# Altium PCB TAUV-Regulated_Power_board.PcbDoc (part 1 of 2)
Units mil, origin at the board's own origin, x right, y up, seen from the top; angles counter-clockwise.
Board outline 5292.66 x 3417.5 mil, 6 copper layers (1-Top, 2-GND1, 3-Signal1, 4-Hi_PWR, 5-GND2, 6-Bottom), stack 32.112 mil thick; 197 components, 89 nets, 741 pads, 274 vias.
Unrouted connection lines stored in the file: 4.
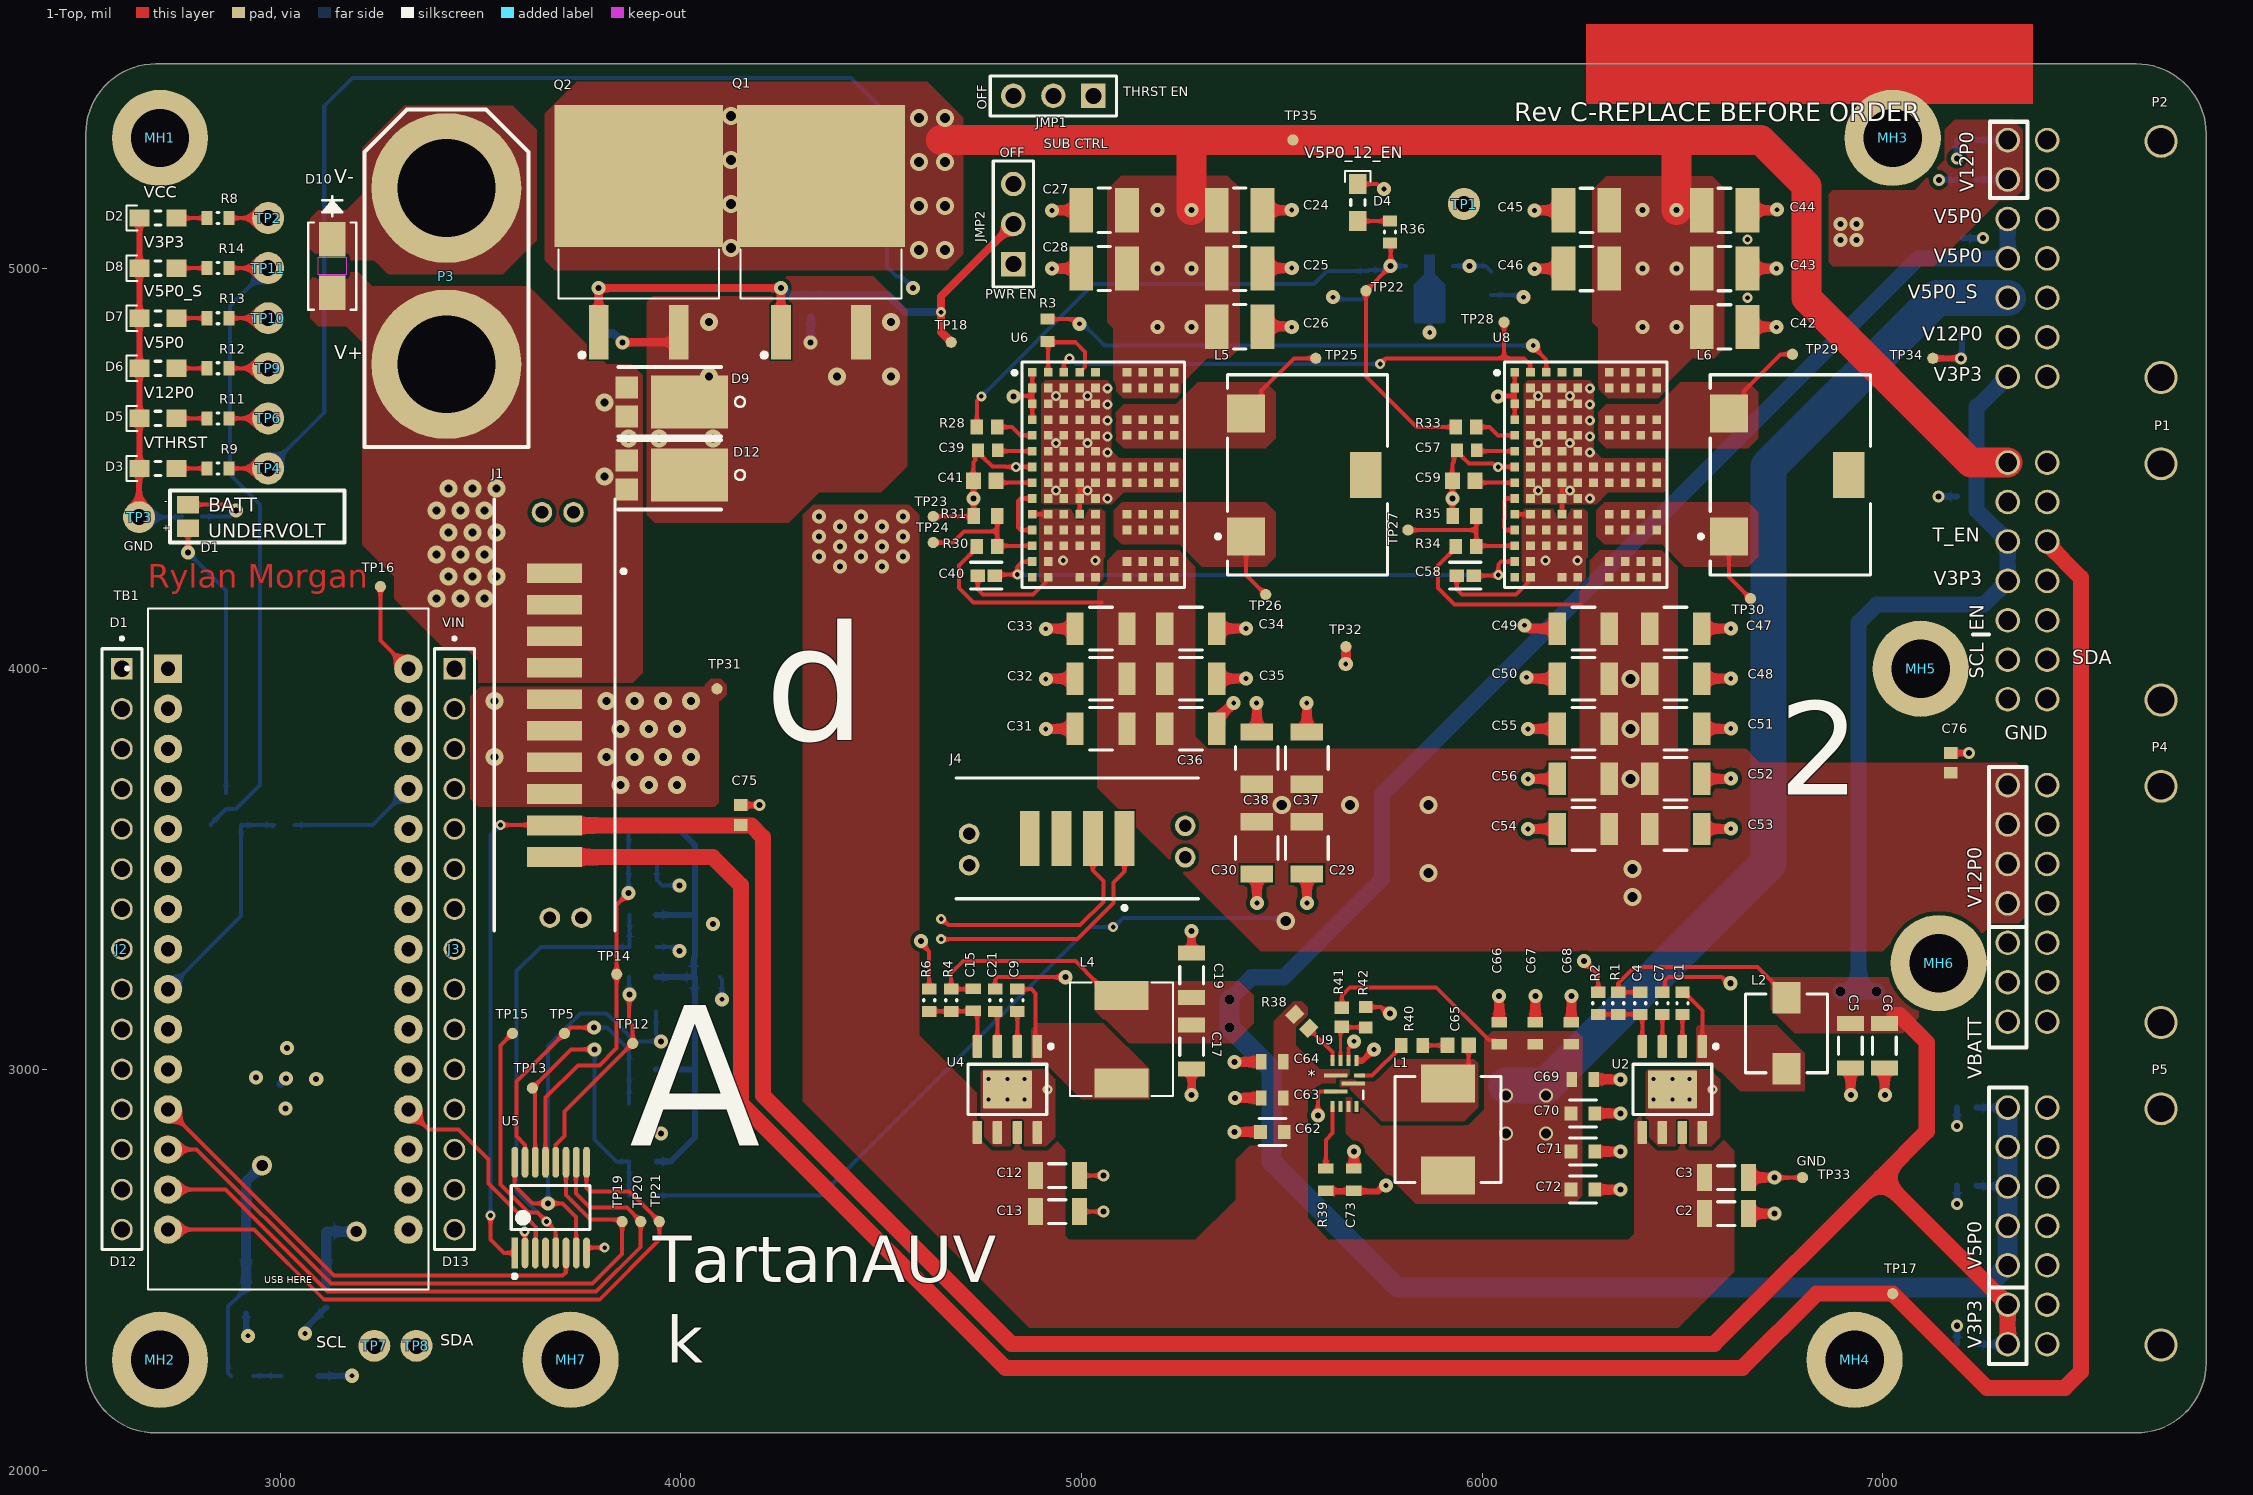
[diagram p0: 1-Top view]
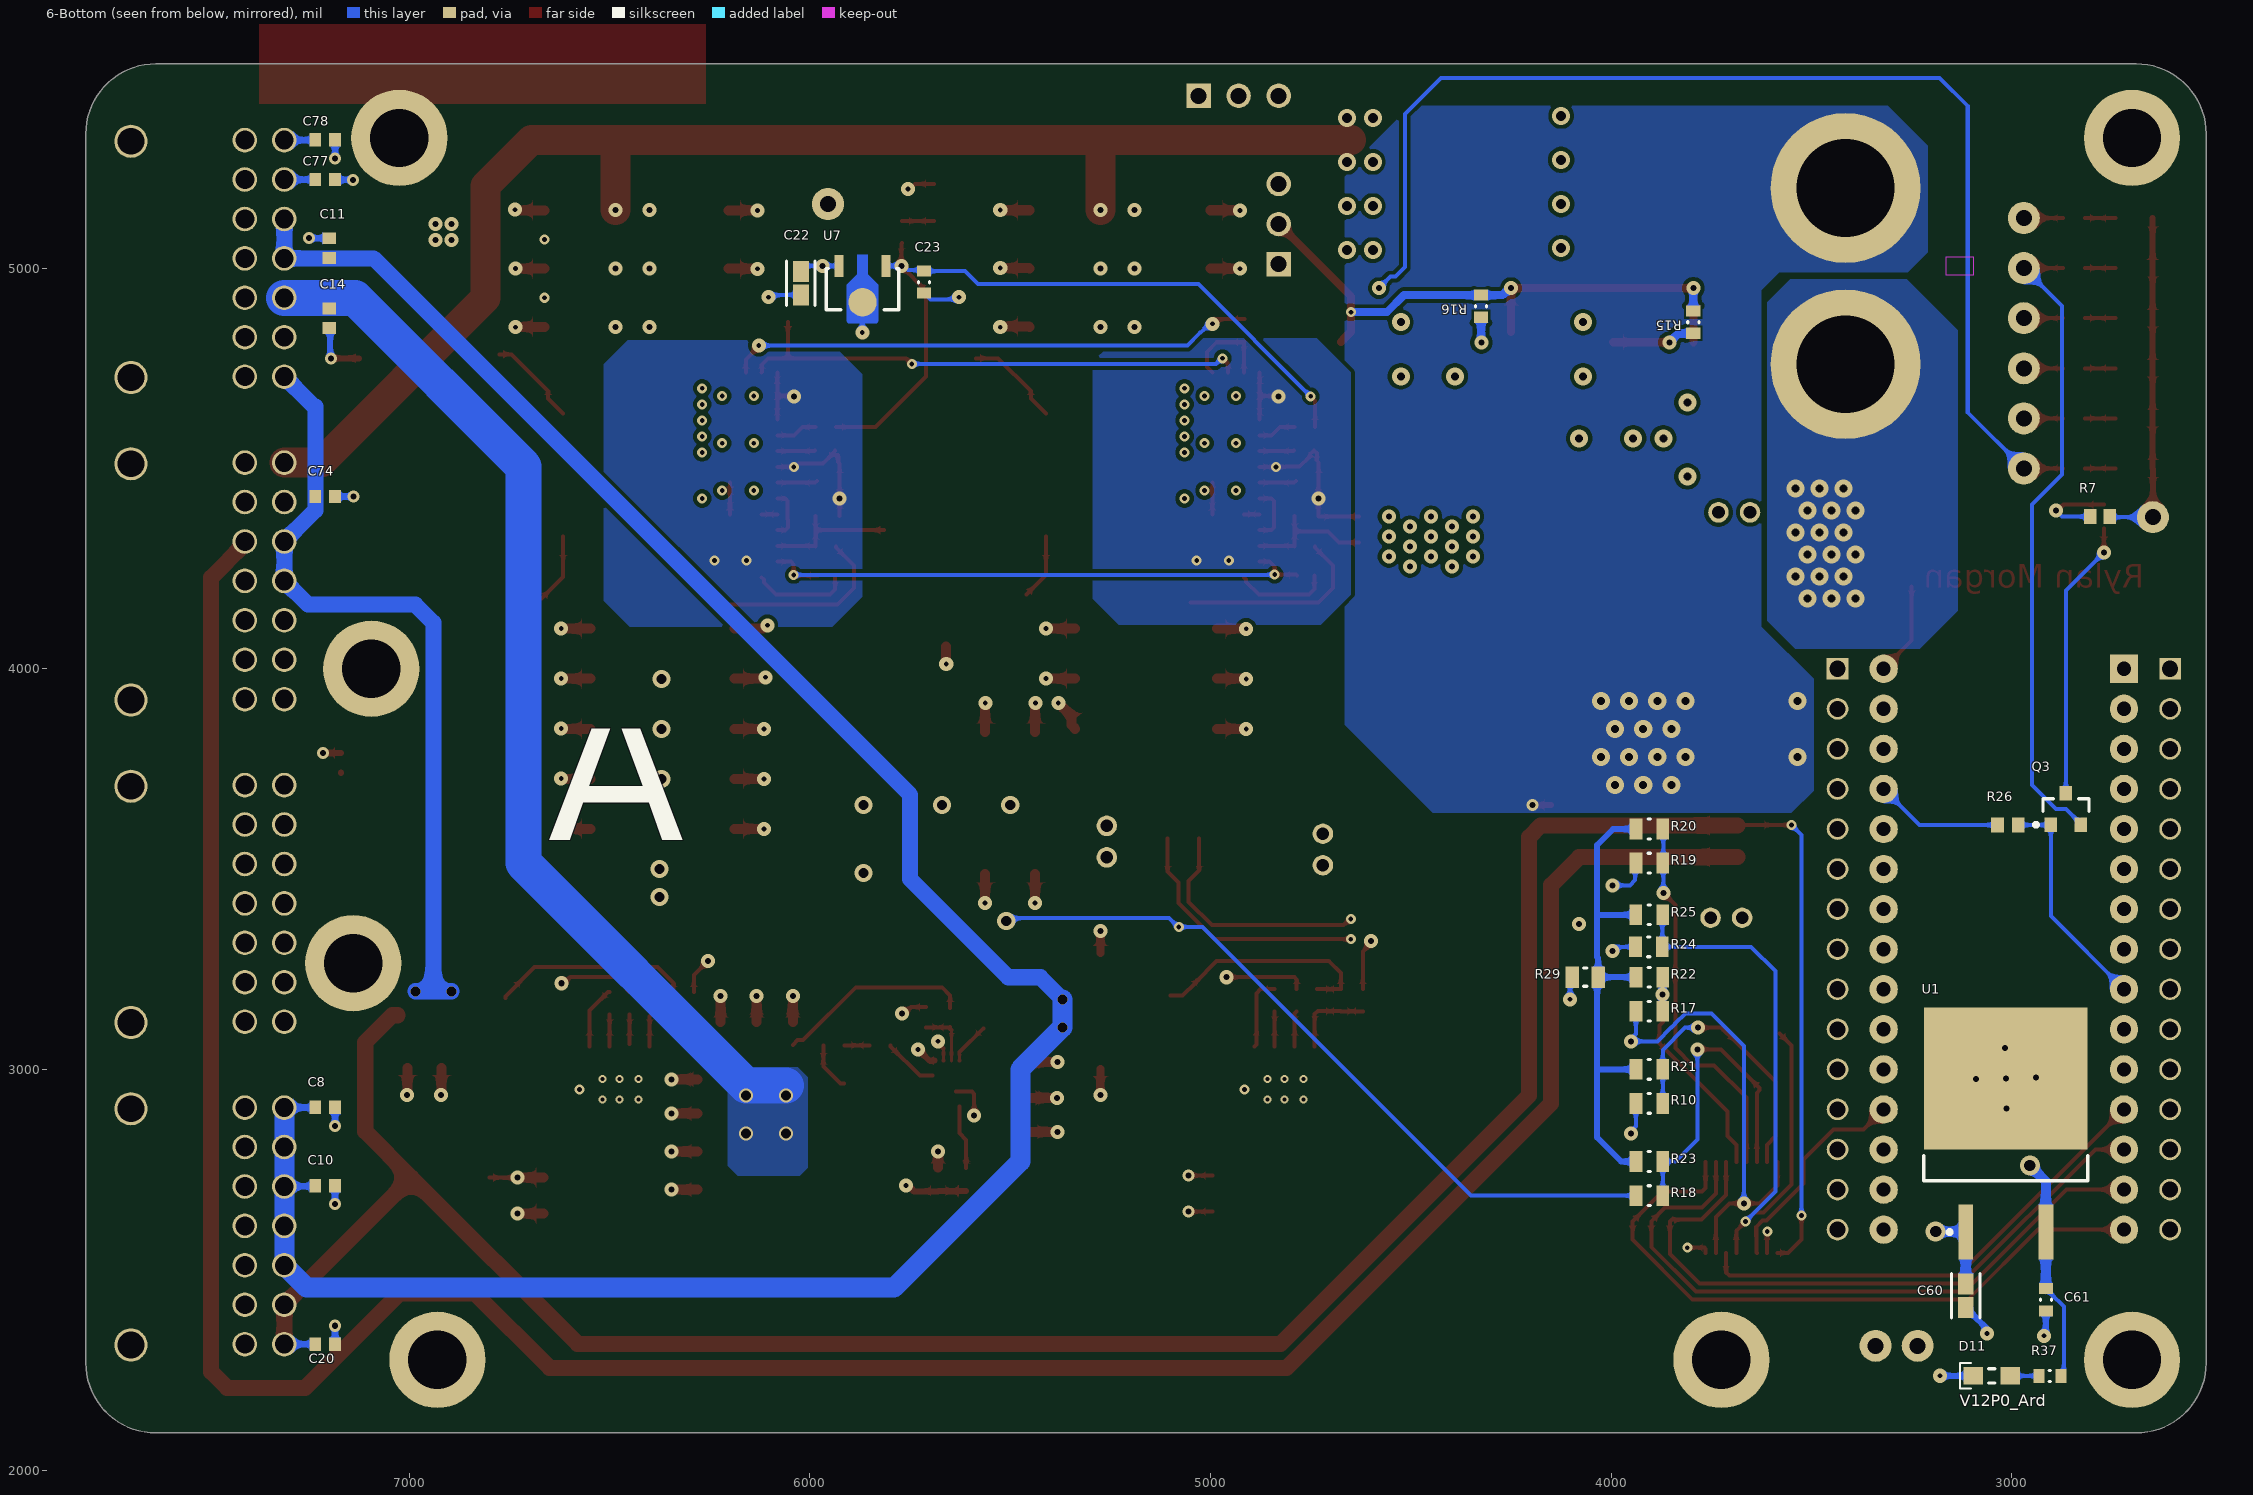
[diagram p1: 6-Bottom view, seen from below]
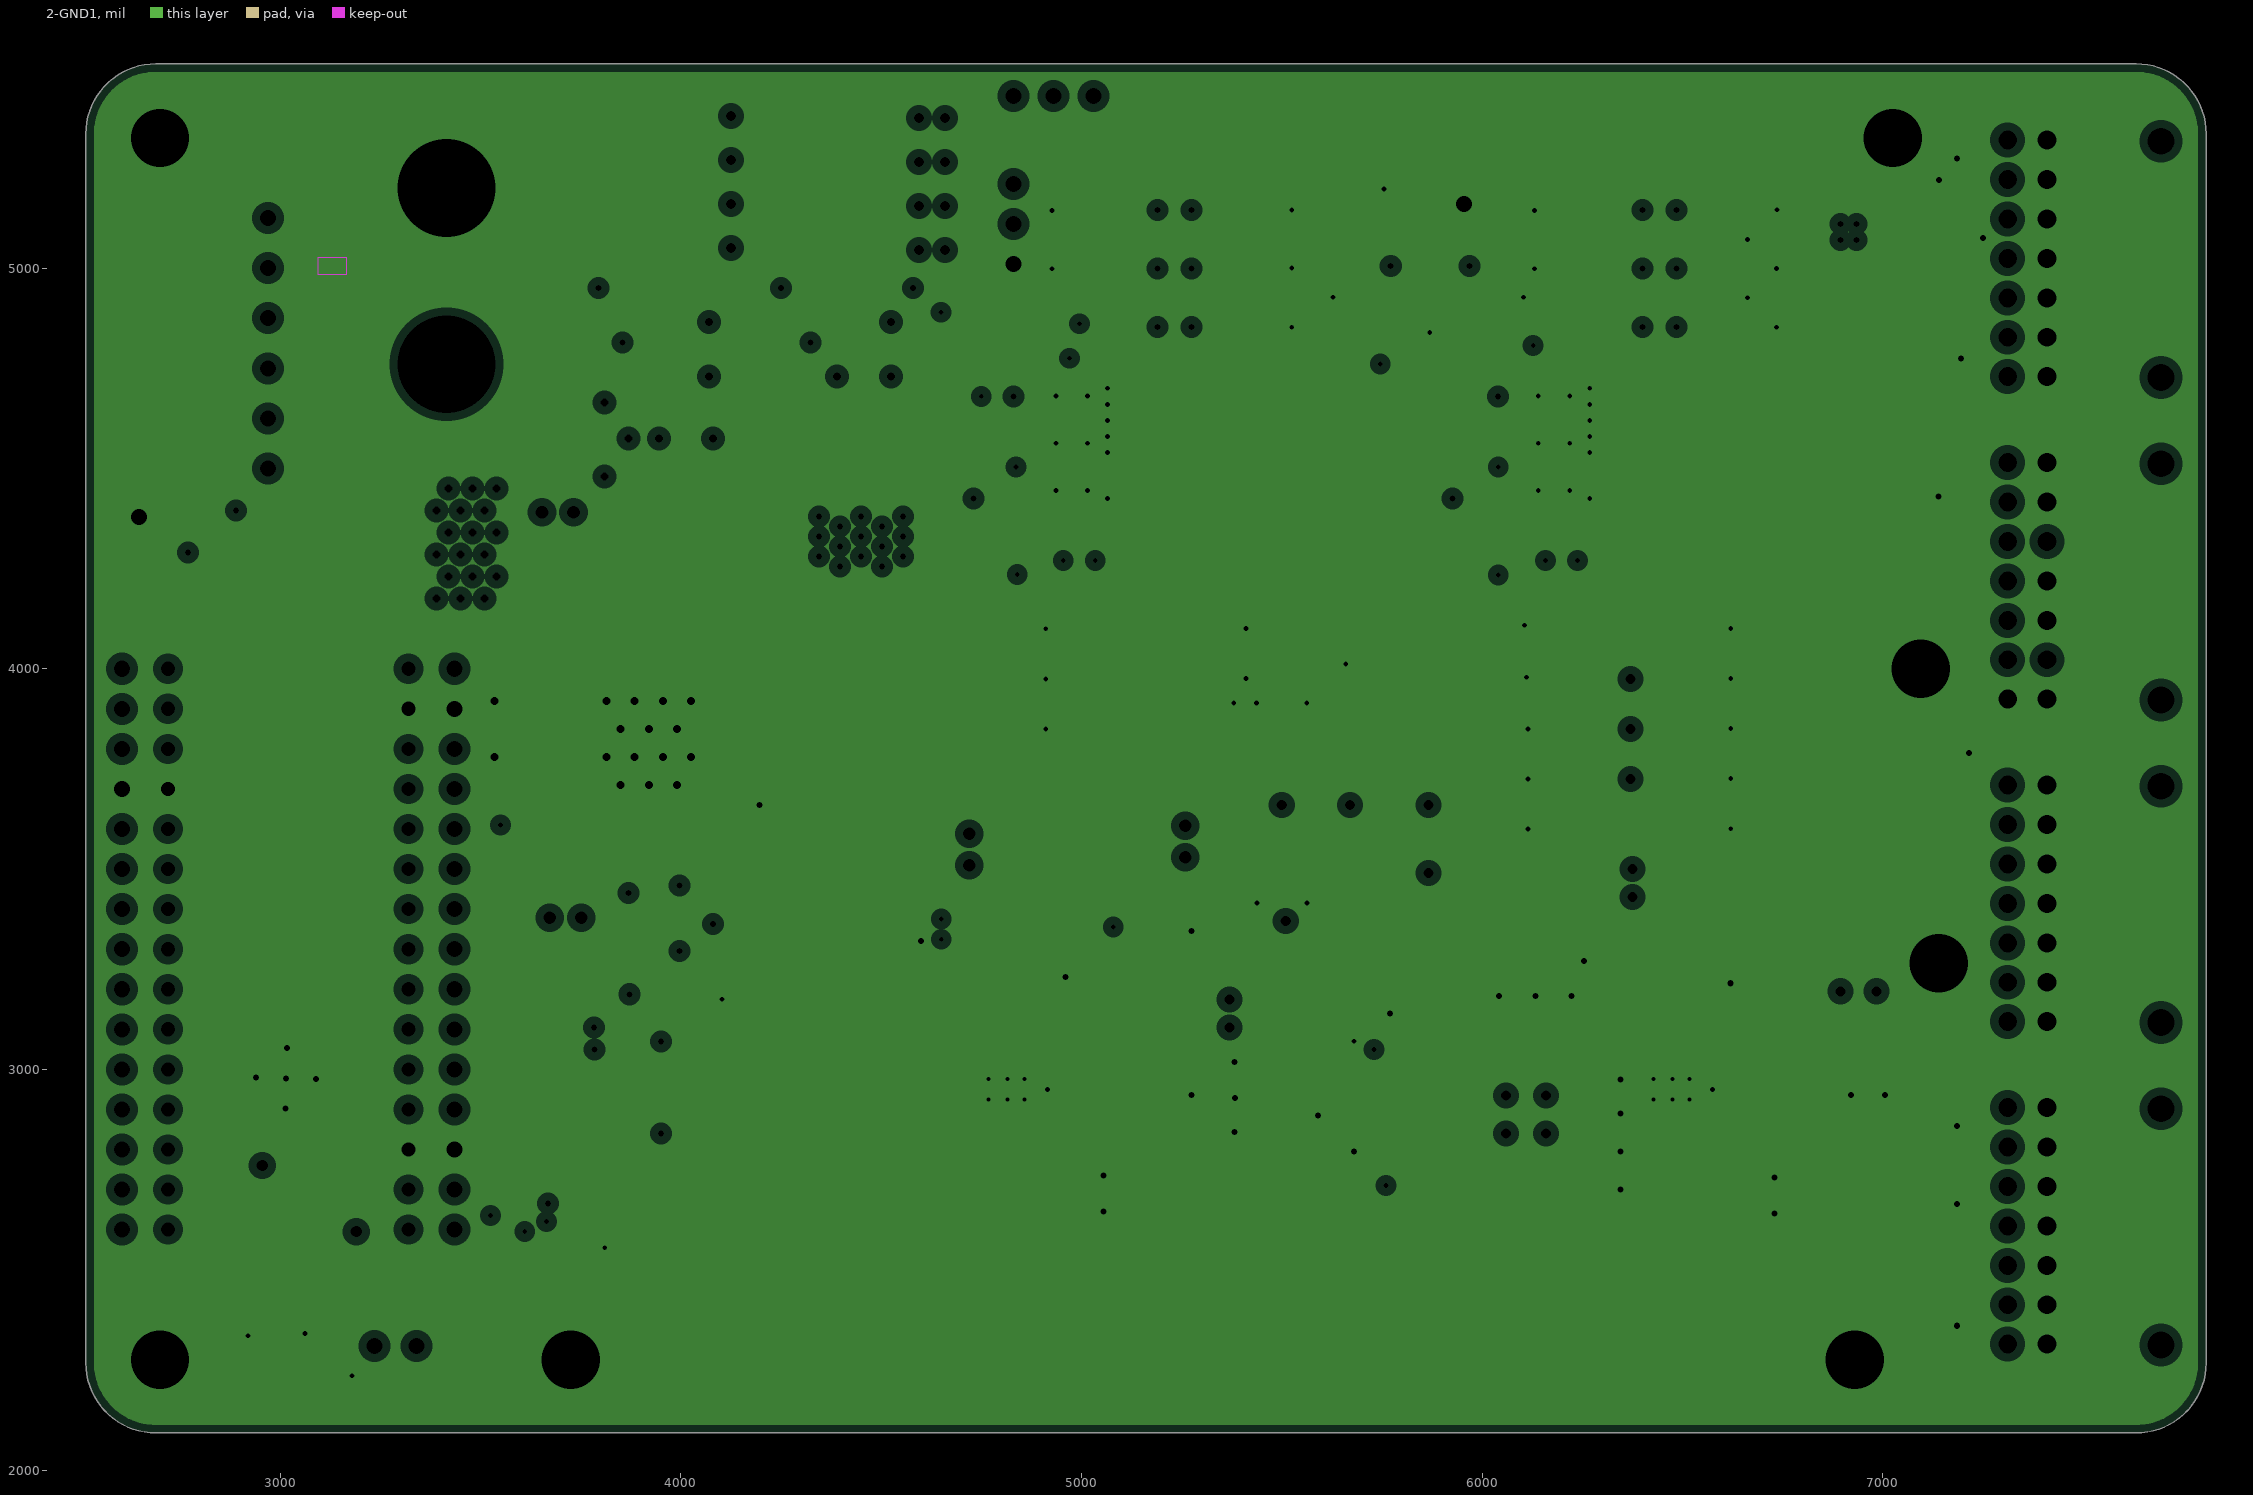
[diagram p2: 2-GND1, clearances drawn from the general rule]
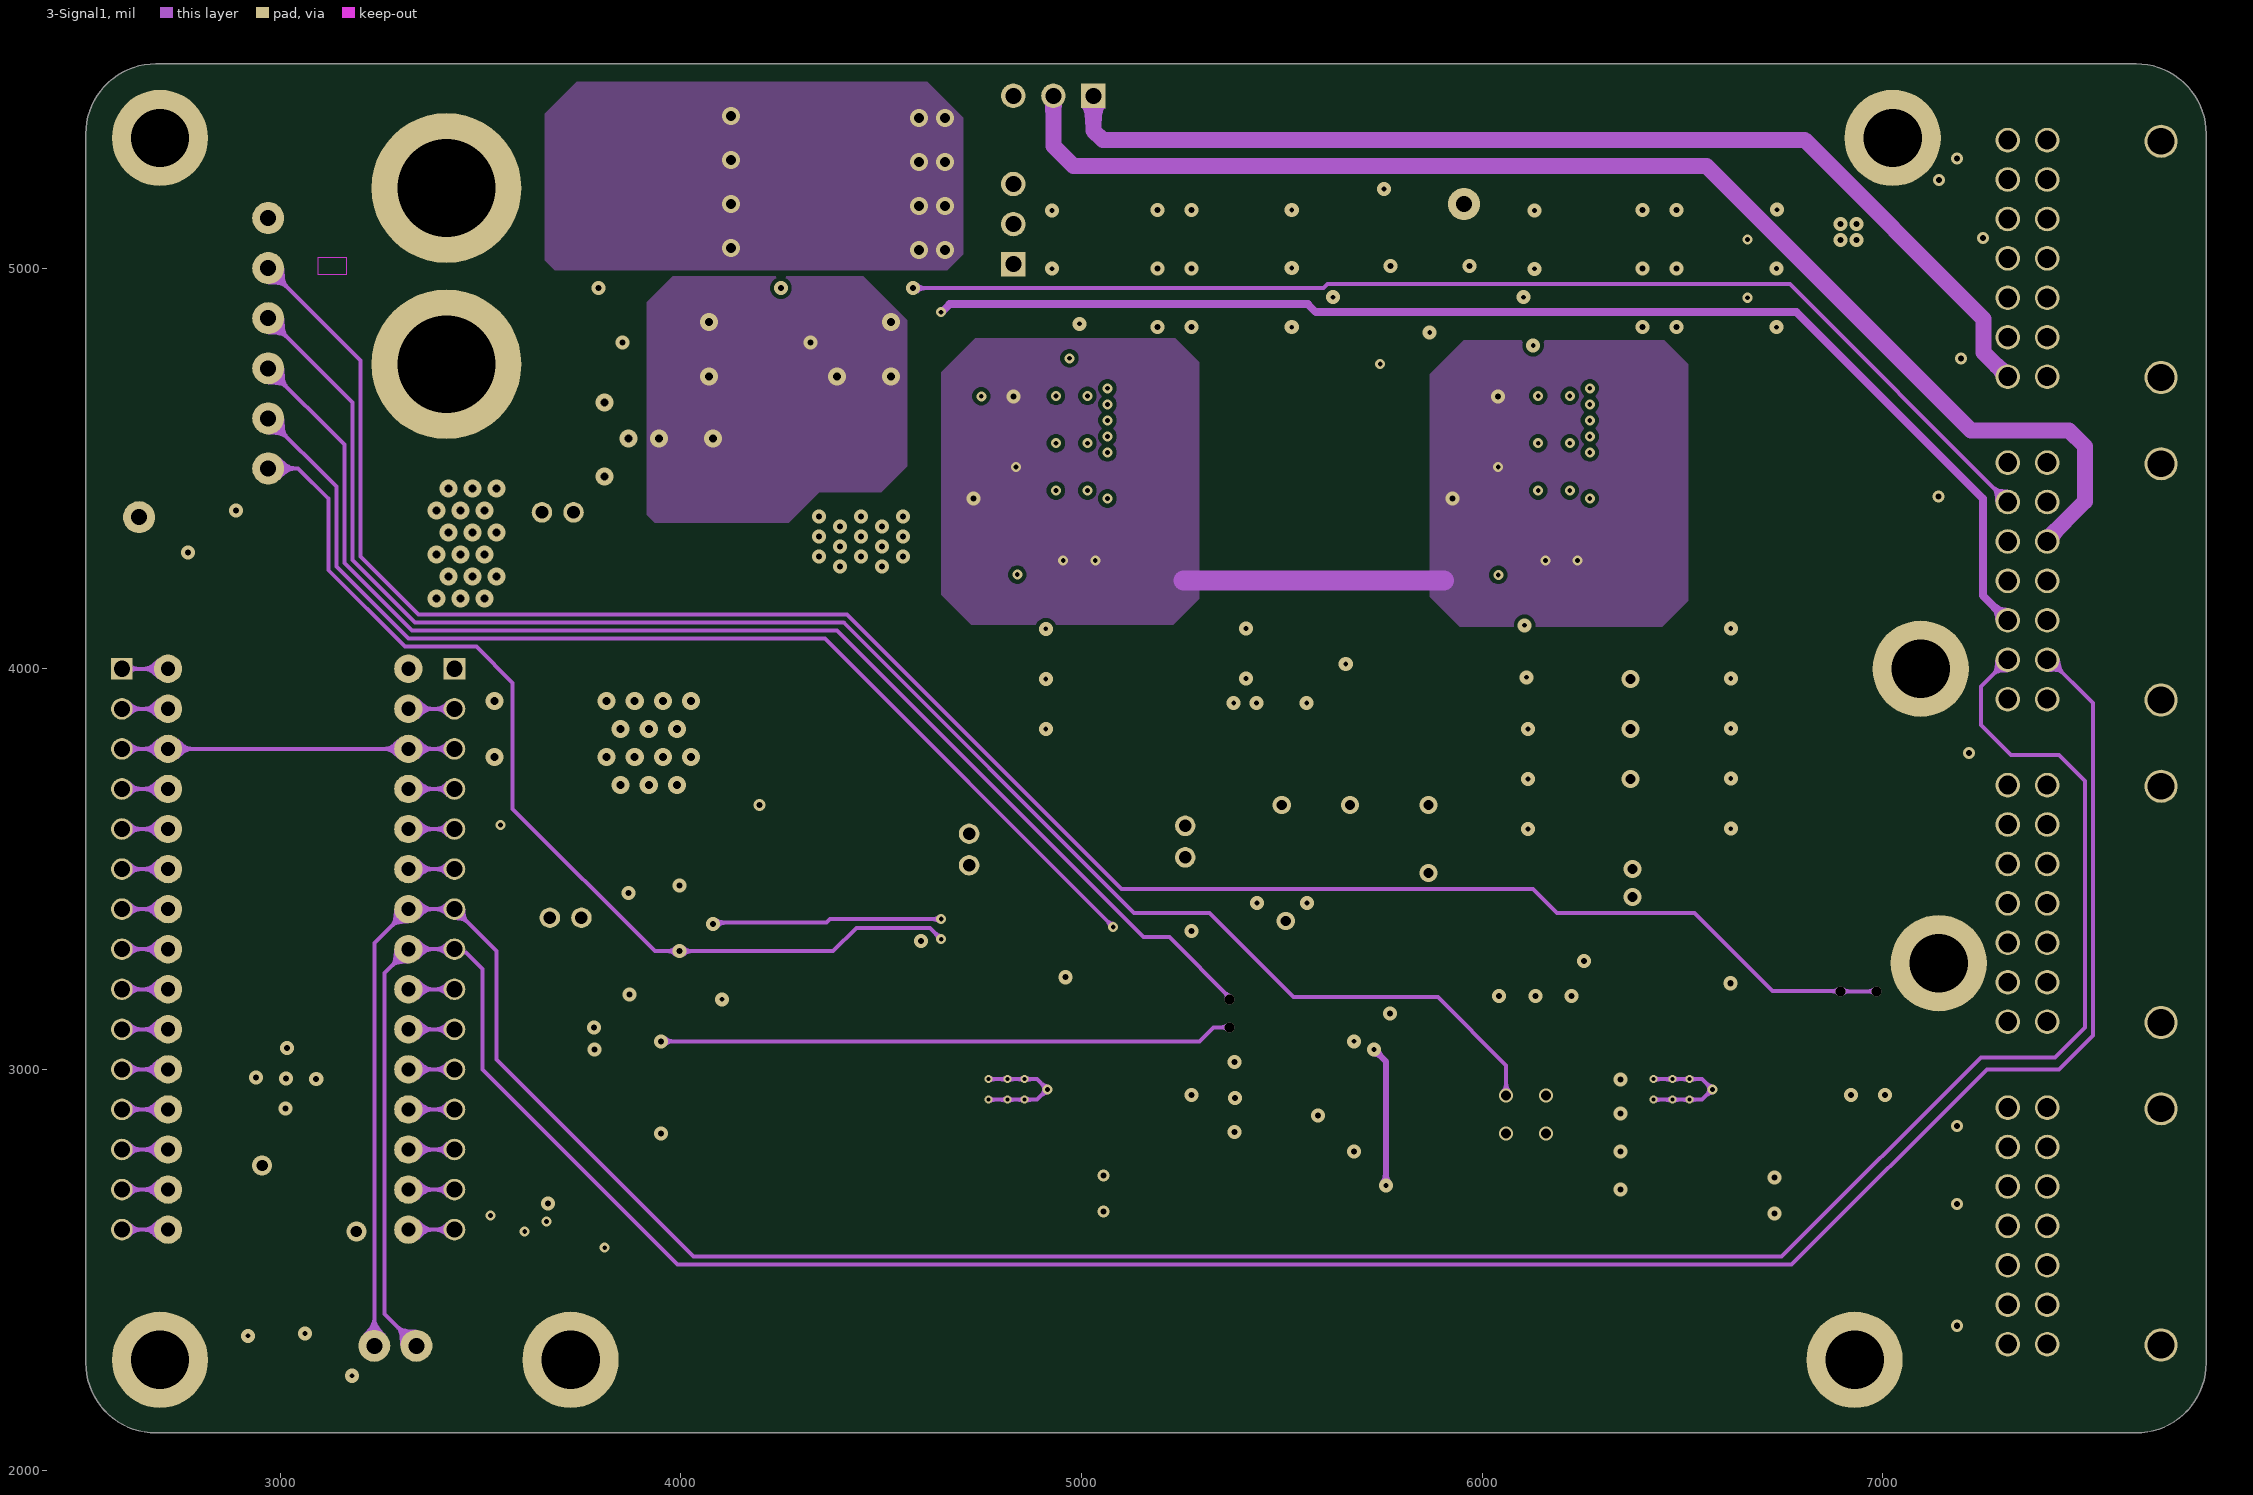
[diagram p3: 3-Signal1]